# Allegro board WNS_FDM_2V1-1221P2.brd (continued)
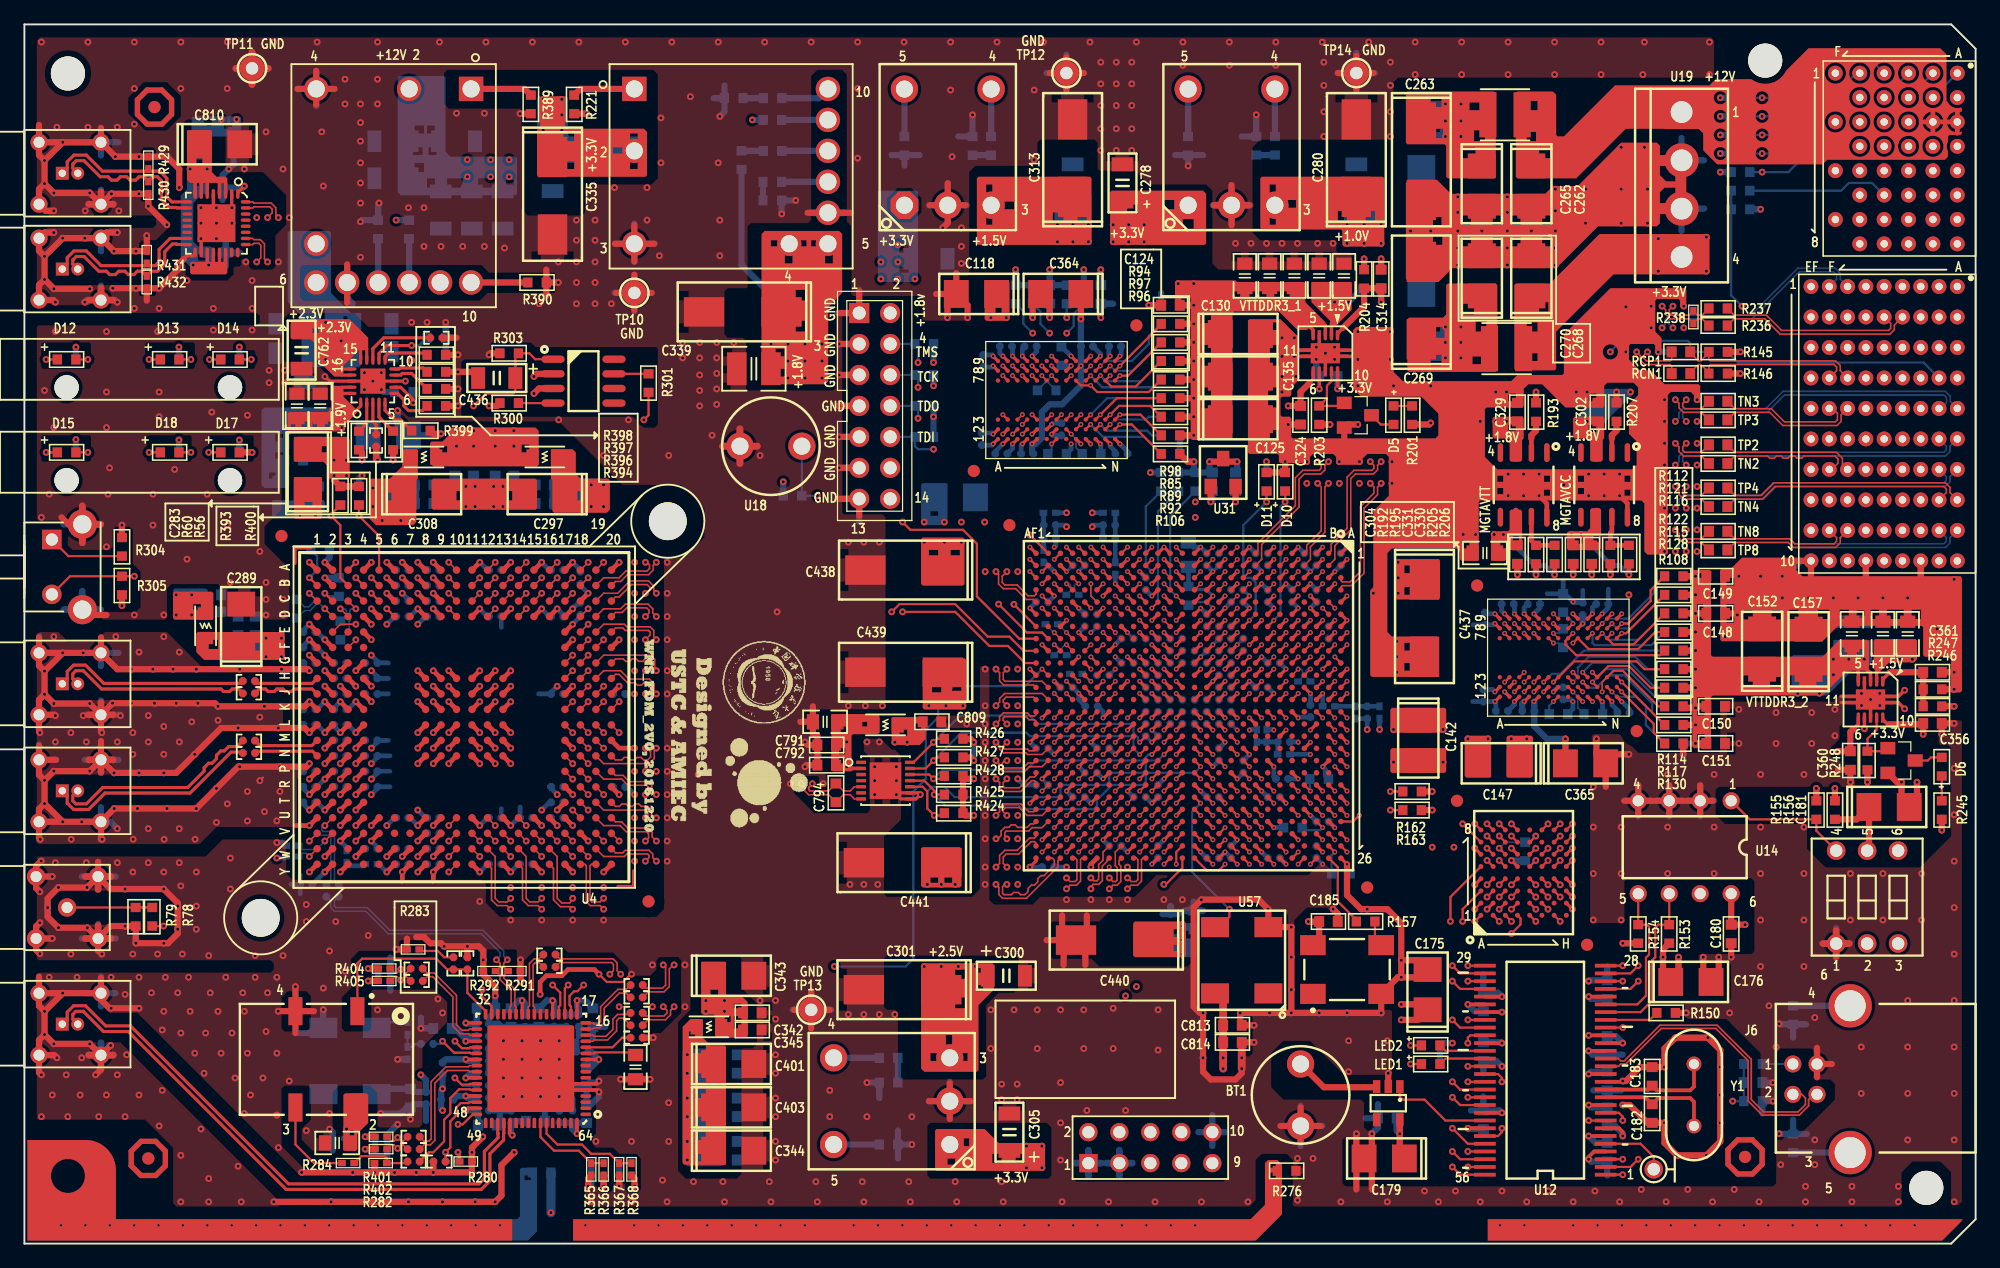
[diagram p0: board, top side]
## Routing (per net, layer and track width the routed paths; a pad name or vN(x,y) marks a point on that pad's centre or on a via; arc(x,y) is an arc through that point) (continued)
  BOTTOM w0.559: 64.58,84.55 U32.6 67.19,84.55 ; 3.25,52 U63.4 ; U63.4 6.25,52 ; U63.4 4.75,53.5 ; C435.2 93.98,27.67 ; C435.2 93.36,27.04 ; C435.2 94.6,27.04 ; 18.67,95.07 TP11.1 ; TP11.1 19.99,96.39 ; TP11.1 17.35,96.39 ; TP11.1 18.67,97.71 ; 58.67,63.98 U18.1 ; U18.1 57.25,65.41 ; U18.1 58.67,66.83 ; U18.1 60.1,65.41 ; 89.79,5.55 J14.3 ; J14.3 89.79,7.66 ; J14.3 90.84,6.6 ; J14.3 88.73,6.6 ; 7.28,85.25 J15.4 5.28,85.25 ; U63.3 6.25,59 ; U63.3 3.25,59 ; U63.3 4.75,57.49 ; U63.3 4.75,60.5 ; J11.4 7.28,15.46 ; J11.4 6.28,14.46 ; J11.4 5.28,15.46 ; J11.4 6.28,16.47 ; J14.1 88.3,6.6 ; J14.1 87.25,7.66 ; J14.1 87.25,5.55 ; J14.1 86.19,6.6 ; C434.2 96.63,27.3 ; C434.2 95.89,28.02 ; C434.2 95.14,27.3
  vias: v1(88.95,30.88) v2(1.4,98.55) v2(1.4,59.56) v2(1.4,10.41) v2(1.65,69.98) v2(2.03,61.47) v2(2.03,21.84) v2(2.29,12.19) v2(2.41,66.93) v2(2.41,49.78) v2(2.54,74.8) v2(2.54,41.15) v2(2.54,31.24) v2(2.67,91.57) v2(3.43,13.84) v2(3.56,10.41) v2(3.81,41.91) v2(3.84,33.16) v2(3.81,23.75) v2(4.32,21.84) v2(4.57,12.19) v2(4.7,15.24) v2(4.83,43.31) v2(5.08,41.15) v2(5.08,31.24) v2(5.21,98.55) v2(5.21,91.57) v2(6.1,10.41) v2(6.73,74.8) v2(6.73,69.85) v2(6.73,66.93) v2(6.73,57.15) v2(6.73,12.19) v2(6.86,61.47) v2(6.99,63.63) v2(7.11,21.84) v2(7.49,49.78) v2(7.62,91.57) v2(7.62,41.15) v2(7.62,31.24) v2(7.62,13.84) v2(8.26,20.45) v2(8.26,10.41) v2(8.38,15.49) v2(8.89,41.91) v2(8.89,40.13) v2(8.92,33.16) v2(8.89,30.48) v2(8.89,23.75) v2(9.02,98.55) v2(9.02,94.74) v2(9.02,91.82) v2(9.02,76.71) v2(9.02,51.56) v2(9.4,48.51) v2(9.4,21.84) v2(9.4,12.19) v2(10.16,43.31) v2(10.16,41.15) v2(10.16,34.04) v2(10.16,31.24) v2(10.41,20.57) v2(10.54,61.47) v2(10.54,58.93) v2(10.92,74.8) v2(10.92,23.75) v2(11.05,76.71) v2(11.05,69.85) v2(11.05,67.82) v2(11.05,9.65) v2(11.3,17.53) v2(11.3,12.57) v2(11.43,51.56) v2(11.43,49.78) v2(11.43,42.42) v2(11.43,40.13) v2(11.43,30.48) v2(11.43,19.05) v2(11.46,33.16) v2(11.56,21.84) v2(12.32,63.5) v2(12.57,20.57) v2(12.7,48.51) v2(12.7,41.15) v2(12.7,34.04) v2(12.7,31.24) v2(12.83,98.55) v2(12.83,94.74) v2(12.83,29.34) v2(12.83,17.27) v2(12.83,7.24) v2(12.83,3.43) v2(12.95,23.75) v2(13.34,78.99) v2(13.34,56.13) v2(13.46,21.84) v2(13.59,19.05) v2(13.72,42.8) v2(14,33.16) v2(13.97,15.62) v2(14.1,30.48) v2(14.1,27.69) v2(14.1,25.78) v2(14.48,84.96) v2(14.48,83.69) v2(14.48,9.4) v2(14.73,13.97) v2(14.86,17.27) v2(14.99,61.47) v2(15.11,23.62) v2(15.11,5.33) v2(15.11,3.43) v2(15.24,20.57) v2(15.37,68.2) v2(15.49,76.71) v2(15.49,74.93) v2(15.75,83.69) v2(15.75,82.42) v2(15.75,34.54) v2(15.88,42.93) v2(15.88,19.05) v2(16.13,15.62) v2(16.51,21.84) v2(16.64,98.55) v2(16.64,94.74) v2(16.64,58.93) v2(16.64,36.07) v2(16.89,54.23) v2(16.89,31.62) v2(16.89,29.08) v2(17.02,83.69) v2(17.02,17.27) v2(17.27,13.59) v2(17.53,6.35) v2(17.78,3.43) v2(17.91,20.57) v2(18.03,88.14) v2(18.03,19.05) v2(18.03,10.67) v2(18.16,80.52) v2(18.29,67.94) v2(18.29,37.08) v2(18.29,34.67) v2(18.29,15.62) v2(18.54,12.19) v2(18.67,78.99) v2(18.67,76.71) v2(18.67,74.93) v2(18.92,23.62) v2(18.92,21.84) v2(19.05,84.15) v2(19.3,56.77) v2(19.3,43.18) v2(19.56,13.59) v2(19.68,35.43) v2(19.81,91.19) v2(19.81,54.23) v2(19.81,52.83) v2(19.81,51.56) v2(19.81,17.4) v2(19.94,20.57) v2(20.07,71.63) v2(20.07,70.61) v2(20.45,98.55) v2(20.7,34.67) v2(20.7,21.84) v2(20.7,15.62) v2(20.7,10.54) v2(20.83,80.52) v2(20.83,7.87) v2(20.95,37.08) v2(21.21,88.14) v2(21.21,54.23) v2(21.21,52.83) v2(21.21,51.56) v2(21.21,23.62) v2(21.34,71.63) v2(21.34,70.61) v2(21.72,84.15) v2(21.72,13.34) v2(23.11,27.81) v2(23.11,26.42) v2(23.11,9.27) v2(24,98.55) v2(24.38,91.19) v2(24.51,86.74) v2(24.51,20.95) v2(25.02,24) v2(25.02,10.67) v2(25.4,64.26) v2(25.53,26.42) v2(26.29,95.5) v2(26.29,93.47) v2(26.29,22.35) v2(26.42,64.26) v2(26.42,62.99) v2(27.56,93.47) v2(27.56,91.95) v2(27.56,90.42) v2(27.56,88.65) v2(27.56,87) v2(27.56,85.34) v2(27.56,80.9) v2(27.88,71.44) v2(27.88,70.04) v2(28.19,25.27) v2(28.96,98.55) v2(28.96,95.5) v2(28.96,93.47) v2(28.96,19.18) v2(29.27,71.44) v2(31.5,84.96) v2(31.75,75.56) v2(31.75,72.44) v2(32.77,84.96) v2(32.77,81.79) v2(33.02,75.56) v2(33.91,20.07) v2(34.04,98.55) v2(34.16,81.79) v2(34.29,18.92) v2(35.43,92.71) v2(35.94,81.79) v2(36.2,62.1) v2(36.2,60.45) v2(36.96,62.1) v2(36.96,60.45) v2(37.34,28.07) v2(37.72,92.71) v2(37.72,81.79) v2(37.85,98.55) v2(38.48,62.1) v2(38.48,60.45) v2(39.24,62.1) v2(39.24,60.45) v2(39.28,15.11) v2(39.28,13.59) v2(39.37,81.66) v2(39.88,29.21) v2(39.88,26.54) v2(40.81,16.64) v2(40.81,15.11) v2(40.81,13.59) v2(40.81,12.06) v2(41.66,98.55) v2(42.22,77.09) v2(42.33,15.11) v2(42.33,13.59) v2(42.42,29.21) v2(42.42,26.54) v2(43.78,80.52) v2(43.81,67.56) v2(43.85,16.64) v2(43.85,15.11) v2(43.85,13.59) v2(44.96,29.21) v2(44.96,26.54) v2(45.27,83.95) v2(45.27,82.3) v2(45.27,80.52) v2(45.27,78.83) v2(45.27,77.09) v2(45.47,98.55) v2(46.48,3.43) v2(46.79,83.95) v2(46.79,82.3) v2(46.79,80.52) v2(46.79,78.83) v2(46.79,77.09) v2(46.86,8.38) v2(47.5,64.64) v2(47.5,29.21) v2(47.5,26.54) v2(48.13,77.09) v2(48.39,86.61) v2(48.77,19.43) v2(49.28,98.55) v2(49.53,67.56) v2(49.78,8.38) v2(49.78,3.43) v2(50.04,55.88) v2(50.04,53.34) v2(50.04,51.44) v2(50.04,49.53) v2(50.04,46.99) v2(50.04,38.73) v2(50.04,34.92) v2(50.04,33.02) v2(50.04,31.37) v2(50.93,38.73) v2(51.05,86.61) v2(51.05,83.95) v2(51.5,22.86) v2(51.5,19.43) v2(51.82,38.73) v2(52.07,81.03) v2(52.2,92.33) v2(52.2,88.65) v2(52.32,5.21) v2(52.71,55.88) v2(52.71,53.34) v2(52.71,51.44) v2(52.71,49.53) v2(52.71,46.99) v2(52.71,45.09) v2(52.71,40.64) v2(52.71,38.73) v2(52.71,36.83) v2(52.71,34.92) v2(52.71,33.02) v2(52.71,31.37) v2(52.7,3.43) v2(52.83,64.64) v2(52.83,11.56) v2(52.83,8.38) v2(53.09,98.55) v2(53.98,73.91) v2(53.98,72.64) v2(54.17,22.86) v2(54.17,19.43) v2(54.61,94.07) v2(55.24,38.48) v2(55.37,73.91) v2(55.37,72.64) v2(55.37,71.25) v2(55.37,69.98) v2(55.37,68.71) v2(56.39,66.29) v2(56.77,73.91) v2(56.77,72.64) v2(56.77,71.37) v2(56.77,70.1) v2(56.77,68.83) v2(56.9,98.55) v2(56.9,88.65) v2(57.02,83.95) v2(57.02,81.03) v2(57.4,3.43) v2(58.17,73.91) v2(60.33,64.64) v2(60.33,19.94) v2(60.71,98.55) v2(61.21,3.43) v2(61.59,19.94) v2(61.59,18.41) v2(61.59,15.49) v2(61.59,13.97) v2(61.59,11.94) v2(61.59,10.41) v2(61.59,8.38) v2(61.59,6.86) v2(61.72,51.82) v2(62.81,37.72) v2(64.52,98.55) v2(65.02,3.43) v2(65.5,37.72) v2(66.04,12.57) v2(66.04,10.41) v2(67.56,57.53) v2(67.56,44.12) v2(67.56,18.8) v2(67.69,29.46) v2(68.33,98.55) v2(68.33,94.74) v2(68.33,89.03) v2(68.83,57.53) v2(68.83,29.46) v2(68.83,18.8) v2(68.83,3.43) v2(68.96,44.12) v2(69.09,41.15) v2(69.09,10.41) v2(69.72,39.12) v2(69.72,37.97) v2(69.72,36.83) v2(69.98,29.46) v2(70.1,57.53) v2(70.1,41.15) v2(70.1,18.8) v2(70.36,44.12) v2(71.37,18.8) v2(71.5,39.12) v2(71.5,37.97) v2(72.14,98.55) v2(72.64,3.43) v2(72.77,10.41) v2(75.95,98.55) v2(75.95,94.61) v2(76.07,89.15) v2(76.45,3.43) v2(76.83,83.31) v2(76.83,81.79) v2(76.83,80.39) v2(76.83,59.18) v2(77.27,42.62) v2(78.74,59.18) v2(78.78,55.12) v2(78.78,47.12) v2(78.78,44.12) v2(78.78,42.62) v2(78.78,41.12) v2(78.78,39.62) v2(78.78,38.12) v2(78.78,35.12) v2(78.78,33.2) v2(78.78,30.88) v2(78.78,29.46) v2(79.25,19.18) v2(79.25,16) v2(79.76,98.55) v2(80.14,13.08) v2(80.14,11.81) v2(80.26,3.43) v2(81.15,19.18) v2(81.41,13.08) v2(81.41,11.81) v2(81.45,55.12) v2(81.45,47.12) v2(81.45,44.12) v2(81.45,42.62) v2(81.45,41.12) v2(81.45,39.62) v2(81.45,35.12) v2(81.45,33.2) v2(81.45,30.88) v2(81.45,29.46) v2(82.8,94.61) v2(82.8,88.9) v2(83.06,19.18) v2(83.06,16) v2(83.57,98.55) v2(84.96,19.18) v2(84.96,13.21) v2(84.96,9.91) v2(84.96,6.86) v2(85.09,3.43) v2(85.45,28.21) v2(86.87,19.18) v2(86.87,16) v2(87.12,10.92) v2(87.38,98.55) v2(87.45,28.21) v2(88.27,96.9) v2(88.27,95.12) v2(88.27,93.34) v2(88.27,91.44) v2(88.27,89.66) v2(88.9,3.43) v2(88.96,28.21) v2(89.28,19.3) v2(89.28,16) v2(89.53,96.9) v2(89.53,95.12) v2(89.53,93.34) v2(89.53,91.44) v2(89.53,89.66) v2(90.3,10.92) v2(90.45,30.88) v2(90.45,28.21) v2(90.81,96.9) v2(90.81,95.12) v2(90.81,93.34) v2(90.81,91.44) v2(90.81,89.66) v2(91.19,98.55) v2(92.71,3.43) v2(92.96,19.18) v2(92.96,15.88) v2(93.44,28.21) v2(95,98.55) v2(95,96.65) v2(94.95,28.21) v2(96.52,3.43) v2(98.81,98.55) v2(98.81,96.65) v2(99.31,82.04) v2(100.33,3.43) v2(100.58,82.04) v2(101.85,82.04) v2(102.62,98.55) v2(102.62,96.65) v2(103.12,82.04) v2(103.12,74.3) v2(103.12,72.77) v2(103.12,71.12) v2(103.12,69.85) v2(104.14,74.3) v2(104.14,72.77) v2(104.27,71.12) v2(104.39,82.04) v2(104.39,6.99) v2(104.39,3.56) v2(105.16,64.14) v2(105.16,62.36) v2(105.66,6.99) v2(106.05,82.04) v2(106.43,98.55) v2(106.55,96.9) v2(106.55,95) v2(106.55,92.84) v2(106.55,90.81) v2(107.31,82.04) v2(107.82,64.14) v2(107.82,62.36) v2(107.95,3.43) v2(108.58,16.64) v2(108.58,14.1) v2(109.35,74.8) v2(109.35,70.36) v2(109.47,64.14) v2(109.47,62.36) v2(110.24,98.55) v2(110.62,53.34) v2(111.76,16.64) v2(111.76,3.43) v2(112.01,96.9) v2(112.01,95) v2(112.01,92.84) v2(112.01,90.81) v2(112.01,74.8) v2(112.01,72.52) v2(112.14,64.14) v2(112.14,62.36) v2(112.27,70.36) v2(112.27,39.5) v2(112.52,49.4) v2(112.52,48.13) v2(112.52,46.86) v2(113.67,83.06) v2(114.05,98.55) v2(114.05,95.89) v2(114.81,4.32) v2(115.32,83.06) v2(115.32,70.36) v2(115.44,32.51) v2(115.95,3.43) v2(116.33,39.5) v2(117.22,32.51) v2(117.35,4.32) v2(117.54,85.85) v2(117.54,84.58) v2(117.54,83.06) v2(117.54,81.66) v2(117.54,80.26) v2(117.86,98.55) v2(117.86,95.89) v2(117.98,58.17) v2(118.36,41.4) v2(119,58.17) v2(119.38,67.44) v2(119.38,3.43) v2(119.51,83.06) v2(120.02,41.4) v2(120.65,69.85) v2(121.16,4.32) v2(121.54,69.85) v2(121.6,85.85) v2(121.6,84.58) v2(121.6,83.06) v2(121.6,81.66) v2(121.6,80.26) v2(121.67,98.55) v2(121.67,95.89) v2(121.67,63.12) v2(121.67,61.34) v2(122.94,63.12) v2(122.94,61.34) v2(123.19,3.43) v2(123.57,83.06) v2(124.21,63.12) v2(124.97,4.32) v2(125.48,98.55) v2(125.48,95.89) v2(125.54,86.49) v2(125.54,84.71) v2(125.54,83.06) v2(125.54,81.66) v2(125.54,80.26) v2(126.24,62.23) v2(126.62,74.68) v2(127,3.43) v2(127.25,69.85) v2(128.02,86.49) v2(128.02,83.69) v2(128.14,69.85) v2(128.27,63.12) v2(128.27,61.34) v2(128.65,37.47) v2(128.65,34.16) v2(128.65,30.35) v2(128.65,26.54) v2(128.78,4.32) v2(129.29,98.55) v2(129.29,95.89) v2(129.54,63.12) v2(129.54,61.34) v2(130.81,63.12) v2(130.81,3.43) v2(130.94,89.92) v2(130.94,86.49) v2(130.94,83.69) v2(130.94,34.16) v2(130.94,30.35) v2(130.94,26.54) v2(131.32,76.83) v2(131.32,73.14) v2(131.57,53.21) v2(132.59,4.45) v2(132.72,95.89) v2(132.84,98.55) v2(132.84,89.92) v2(133.1,86.49) v2(133.1,83.69) v2(133.4,76.89) v2(133.4,75.11) v2(134.49,69.22) v2(134.49,67.44) v2(134.49,65.64) v2(134.49,63.86) v2(134.49,62.1) v2(134.49,60.33) v2(134.49,58.55) v2(134.49,56.77) v2(134.62,3.43) v2(134.75,38.48) v2(134.75,34.16) v2(134.75,30.35) v2(136.07,76.89) v2(136.07,75.11) v2(136.4,4.45) v2(137.16,69.22) v2(137.16,67.44) v2(137.16,65.64) v2(137.16,63.86) v2(137.16,62.1) v2(137.16,60.33) v2(137.16,58.55) v2(137.16,56.77) v2(138.18,98.55) v2(138.18,95.89) v2(138.43,3.43) v2(138.56,38.48) v2(138.56,34.16) v2(138.56,30.35) v2(139.45,49.78) v2(139.83,18.92) v2(140.21,4.45) v2(140.46,51.56) v2(140.59,54.74) v2(140.59,43.81) v2(140.59,41.02) v2(142.24,3.43) v2(142.37,54.74) v2(142.37,38.48) v2(142.37,34.16) v2(142.37,30.35) v2(142.37,26.54) v2(142.37,22.73) v2(143.05,19.51) v2(143.64,43.56) v2(143.64,41.02) v2(143.64,16.13) v2(144.02,6.48) v2(144.15,54.74) v2(144.15,52.96) v2(145.92,38.48) v2(145.92,34.16) v2(145.92,30.35) v2(145.92,26.54) v2(145.92,22.73) v2(146.05,4.7) v2(146.05,3.43) v2(146.3,52.96) v2(146.56,43.56) v2(146.56,41.02) v2(146.81,18.54) v2(146.81,8.51) v2(146.81,6.48) v2(148.34,52.96) v2(148.46,43.81) v2(148.46,41.66) v2(149.73,30.35) v2(149.73,26.54) v2(149.86,4.7) v2(149.86,3.43) v2(150.37,52.96) v2(150.62,16.13) v2(150.62,12.32) v2(152.4,52.96) v2(152.4,30.35) v2(152.4,26.54) v2(153.67,4.7) v2(153.67,3.43) v2(154.43,52.96) v2(154.43,19.94) v2(154.43,16.13) v2(154.43,12.32) v2(154.43,8.51) v2(155.57,30.35) v2(155.57,26.54) v2(156.84,50.42) v2(158.24,54.48) v2(158.24,50.42) v2(158.24,38.99) v2(158.24,35.18) v2(158.24,31.37) v2(158.24,27.56) v2(158.24,23.75) v2(158.24,19.94) v2(158.24,16.13) v2(158.24,12.32) v2(158.24,8.51) v2(158.24,3.43)
